# Altium PCB ECE453.PcbDoc (part 1 of 2)
Units mil, origin at the board's own origin, x right, y up, seen from the top; angles counter-clockwise.
Board outline 3937.01 x 3937.01 mil, 2 copper layers (Top Layer, Bottom Layer); 148 components, 146 nets, 474 pads, 123 vias.
Unrouted connection lines stored in the file: 41.
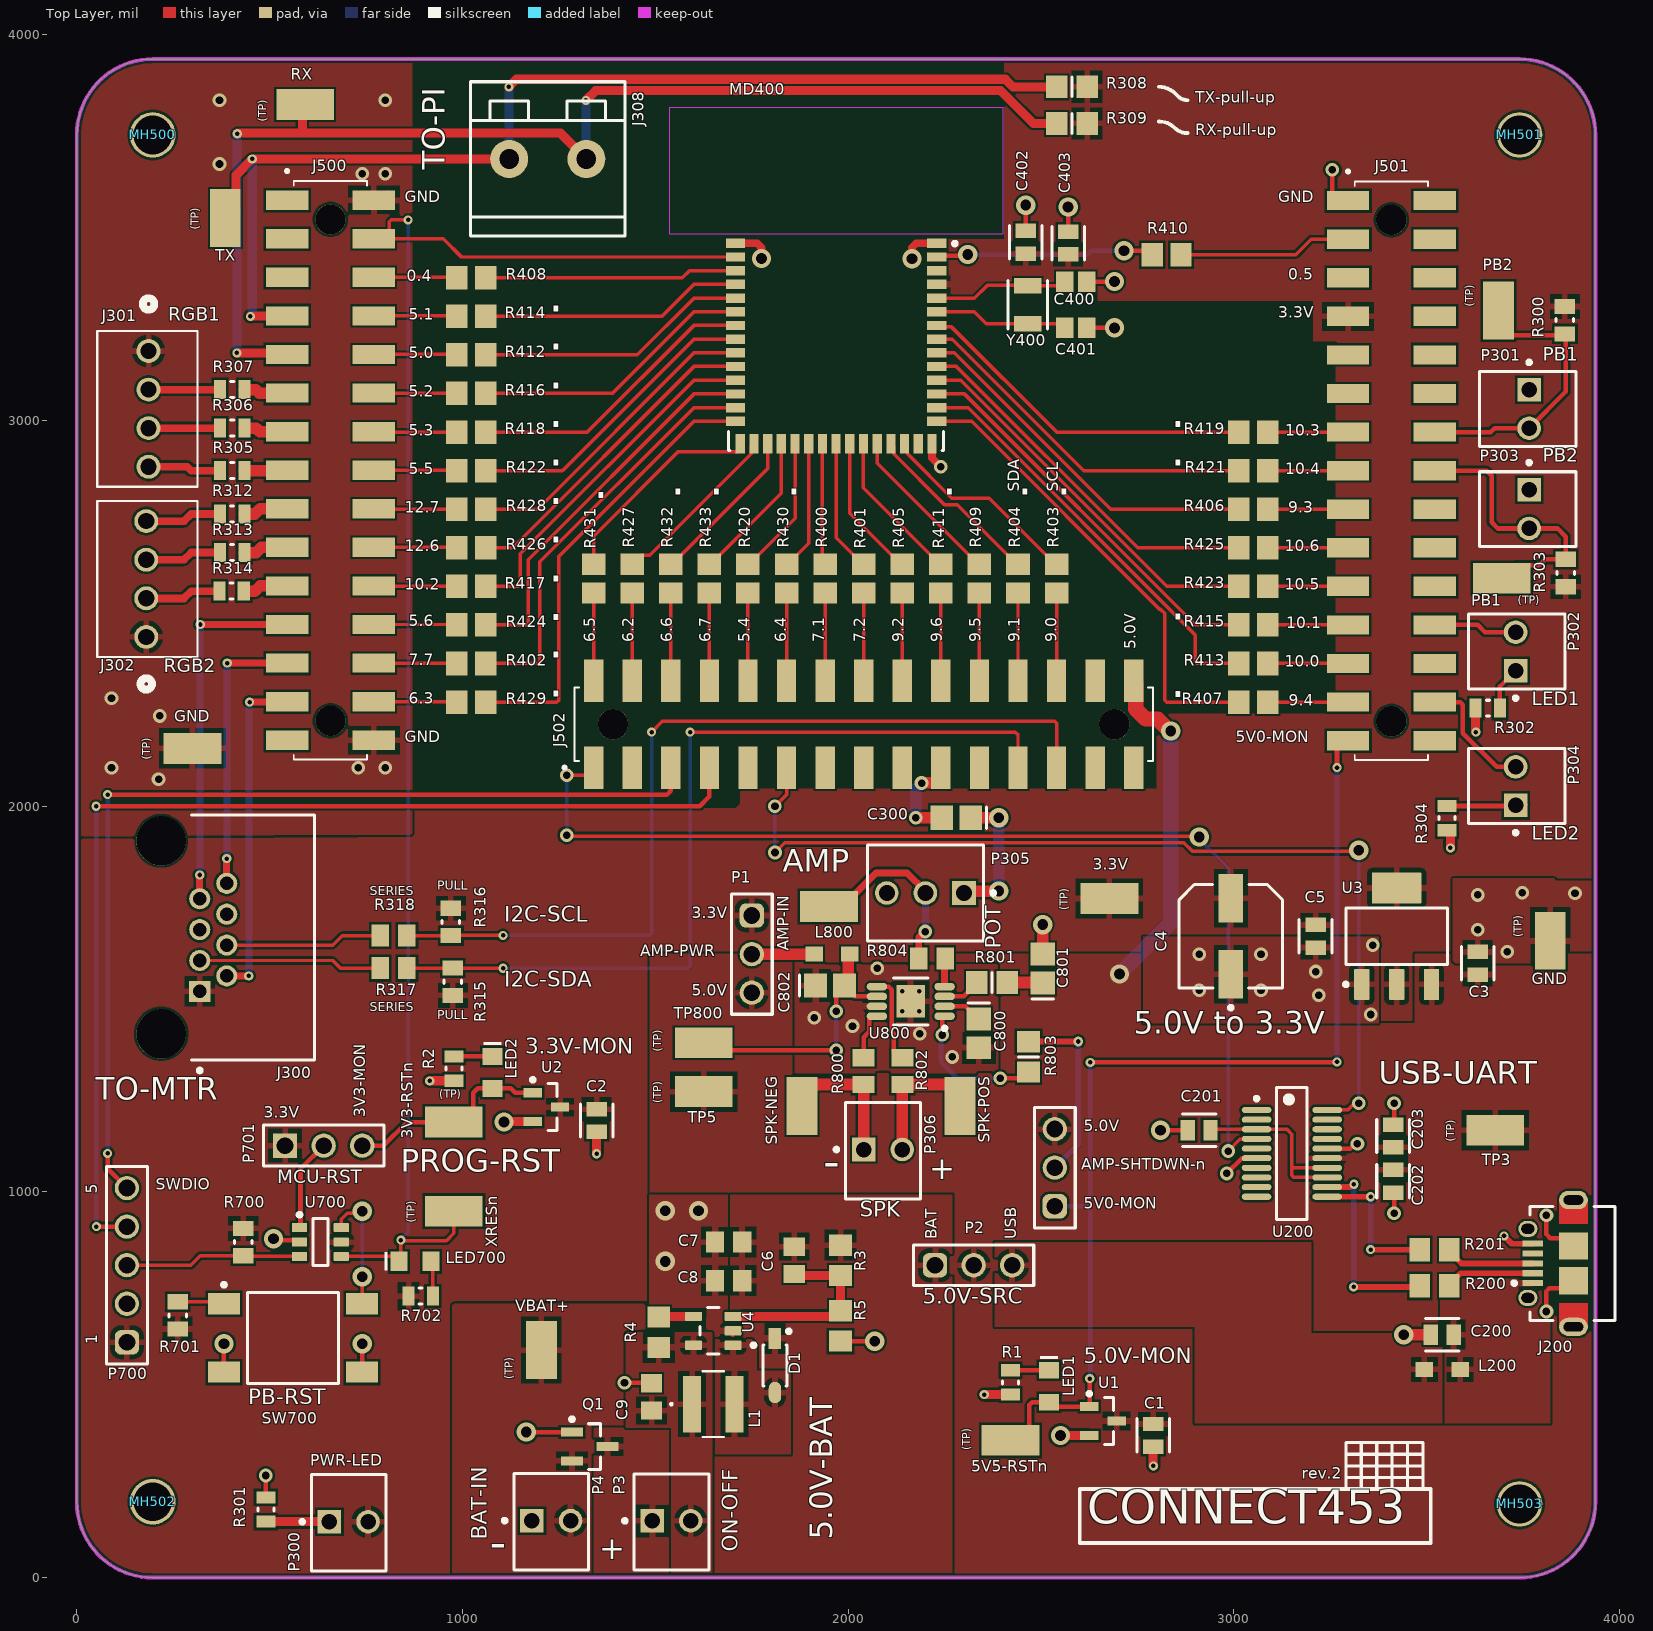
[diagram p0: Top Layer view]
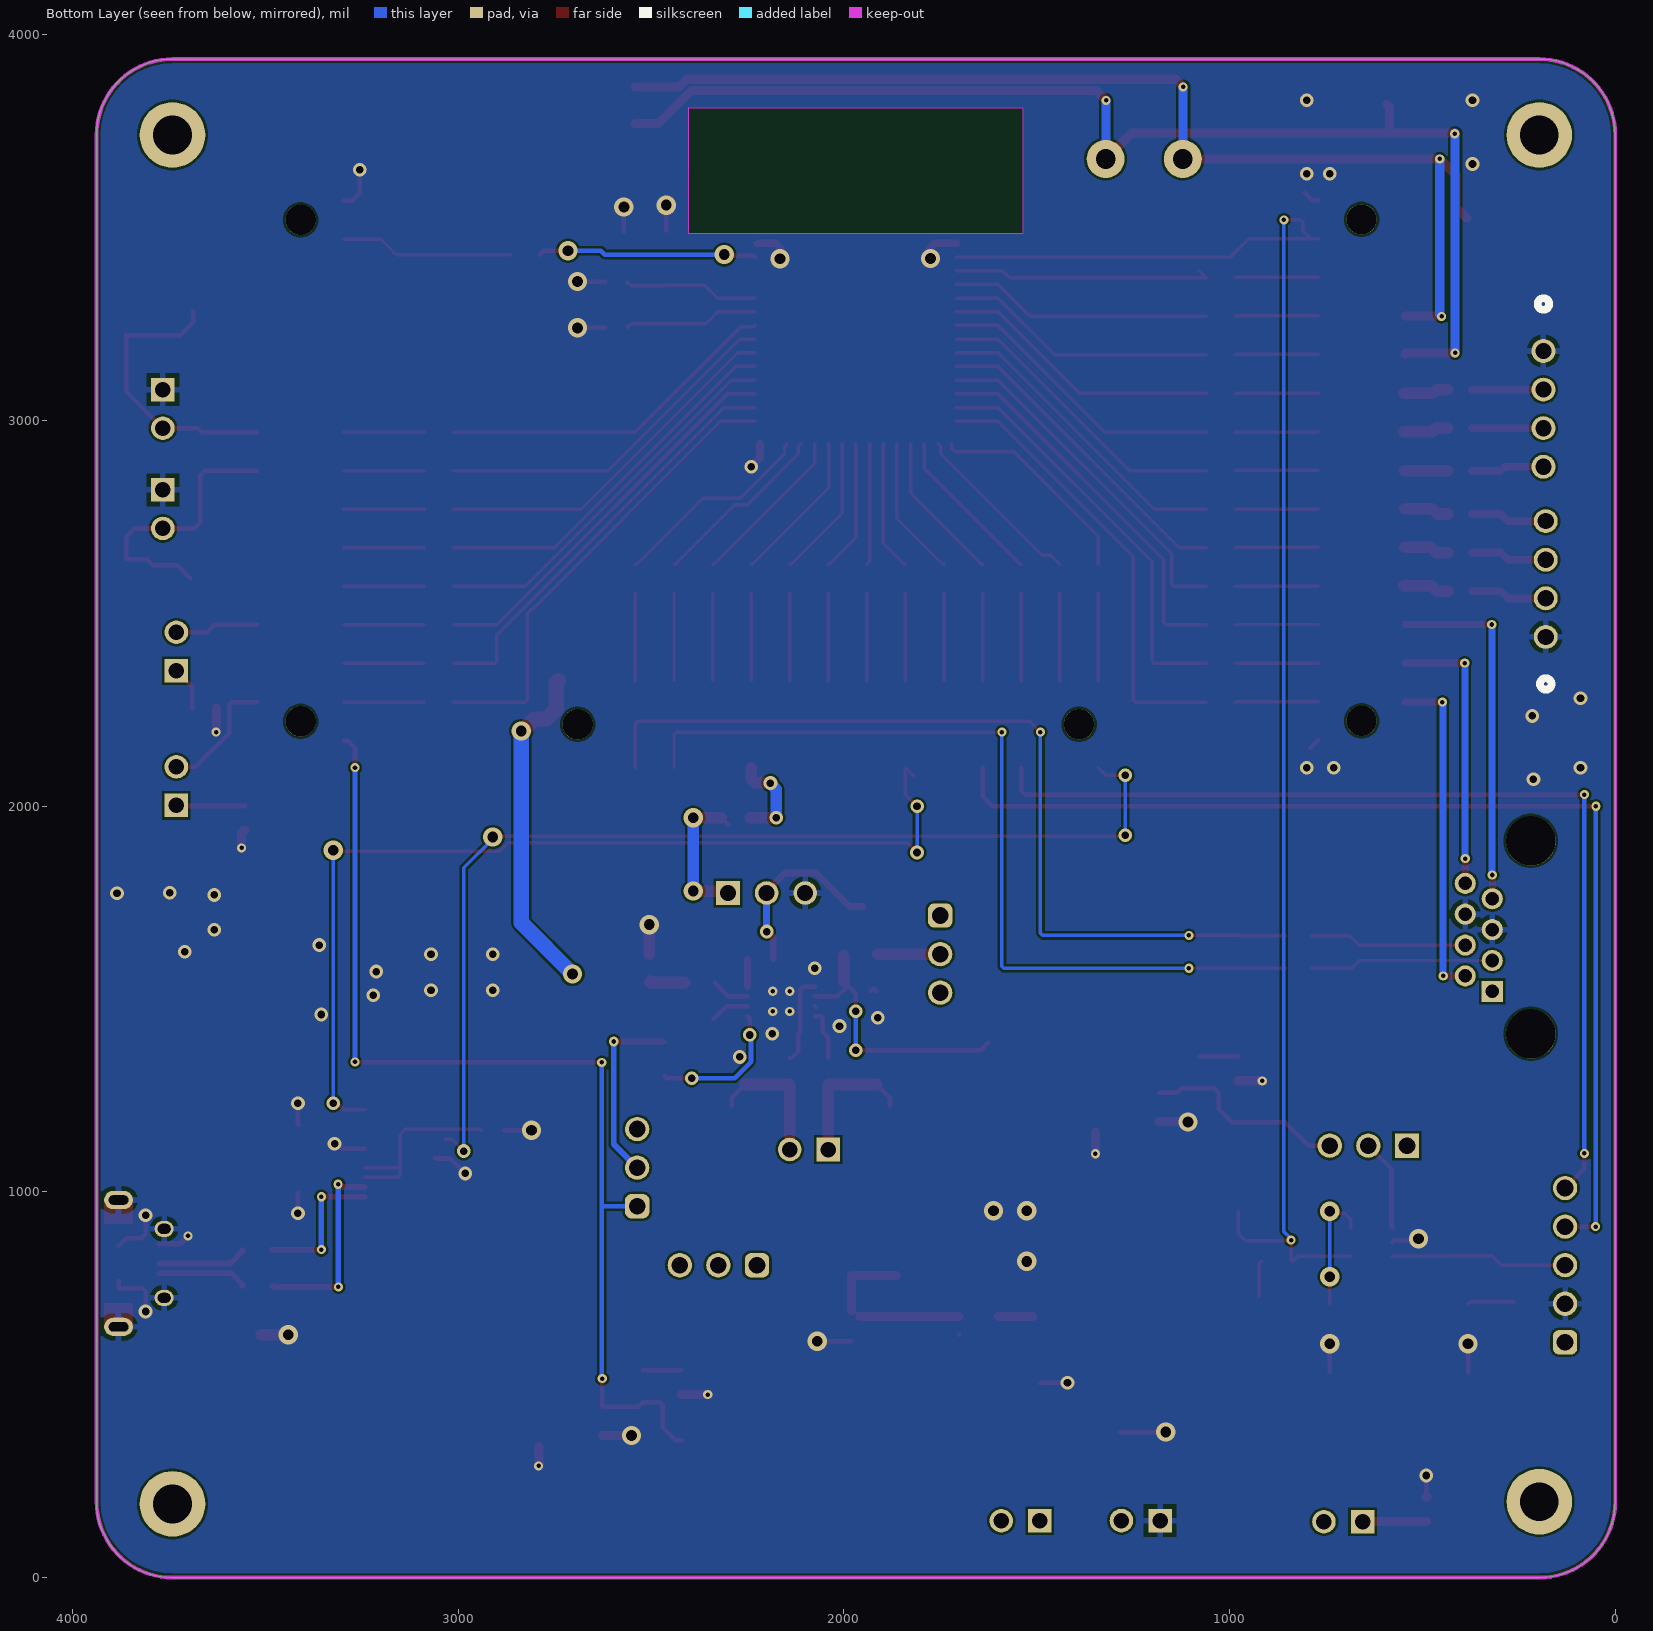
[diagram p1: Bottom Layer view, seen from below]

## Layer stack, top to bottom
Top Solder: solder mask 0.4, Solder Resist, Dk 3.5
Top Layer: signal copper 1.4
Dielectric1: dielectric 12.6, FR-4, Dk 4.8
Bottom Layer: signal copper 1.4
Bottom Solder: solder mask 0.4, Solder Resist, Dk 3.5

## Board outline
0,196.85 ccw(c196.85,196.85) 196.85,0 3740.16,0 ccw(c3740.16,196.85) 3937.01,196.85 3937.01,3740.16 ccw(c3740.16,3740.16) 3740.16,3937.01 196.85,3937.01 ccw(c196.85,3740.16) 0,3740.16

## Design rules (kind name [scope] priority, off if disabled: settings)
Clearance Polygon_Clearance [All vs InPolygon] p1: gap=6 ignorepadtopadclearanceinfootprint=FALSE
Clearance [All] p2: gap=6 ignorepadtopadclearanceinfootprint=TRUE
ComponentClearance [InComponent('U3')] p1: gap=0 collisioncheckmode=3 verticalgap=10 showdistances=FALSE
DiffPairsRouting [All] p1: maxlimit=10 minlimit=10 mostfreqgap=10 toplayer_minwidth=15 toplayer_maxwidth=15 toplayer_prefwidth=15 bottomlayer_minwidth=15 bottomlayer_maxwidth=15 bottomlayer_prefwidth=15 maxuncoupledlength=500
Height [All] p1: minheight=0 maxheight=2952.76 prefheight=500
HoleSize [All] p1: absolutevalues=TRUE maxlimit=250 minlimit=11.81 maxpercent=80.000 minpercent=20.000
MinimumAnnularRing [All] p1: minimumring=5.91
MinimumSolderMaskSliver [All] p1: minsoldermaskwidth=8.66
NetAntennae NetAntennae_5.0V [InNet('5.0V')] p1: netantennaetolerance=0
NetAntennae NetAntennae_3.3V [InNet('3.3V')] p2: netantennaetolerance=0
PlaneClearance [All] p1: clearance=11.81
PlaneConnect [All] p1: planeconnectstyle=Relief reliefexpansion=11.81 reliefentries=4 reliefconductorwidth=11.81 reliefairgap=11.81
PolygonConnect ViaConnect [All vs IsVia] p1: connectstyle=Direct reliefconductorwidth=15 reliefentries=4 polygonreliefangle="90 Angle" airgapwidth=10
PolygonConnect [All] p2: connectstyle=Relief reliefconductorwidth=15.75 reliefentries=4 polygonreliefangle="90 Angle" airgapwidth=11.81
RoutingVias [All] p1: holewidth=11.81 width=23.62 viastyle="Through Hole" minholewidth=11.81 minwidth=23.62 maxholewidth=196.85 maxwidth=393.7
SilkToSilkClearance [All] p1: silktosilkclearance=0
SilkToSolderMaskClearance [IsPad] p1: minsilkscreentomaskgap=0 clearancetoexposedcopper=TRUE
SolderMaskExpansion [All] p1: expansion=4 istentingtop=FALSE
UnConnectedPin [All] p1:
Width [All] p1: maxlimit=393.7 minlimit=7.87 preferedwidth=23.62
20 further rules are at their usual default settings.

## Classes and differential pairs
component class 06_Power: 3.3V 3V3-RSTn 5V5-RSTn C1 C2 C3 C4 C5 C6 C7 C8 C9 D1 GND L1 LED1 LED2 P1 P2 P3 P4 Q1 R1 R2 R3 R4 R5 TP3 TP5 U1 U2 U3 U4 VBAT+
differential pair USB_D: +USB_D_P -USB_D_N

## Components (designator, comment, footprint, x,y, rotation, side; value= is the part's Value field where it differs from the comment)
3.3V "5019" KSTN-5019_V 2677,1760.71 r180 top (schematic designator TP4)
3V3-RSTn "5019" KSTN-5019_V 977.61,1181.06 r0 top (schematic designator TP2)
5V5-RSTn "5019" KSTN-5019_V 2420.39,356.21 r0 top (schematic designator TP1)
AMP-IN "5019" KSTN-5019_V 1950,1740 r180 top (schematic designator TP307)
AMP-SHTDWN-n "61300311121" 61300311121#1 2535.5,1063 r90 top (schematic designator P800)
C1 "C0805C104K5RACTU" FP-C0805C-DN-MFG 2790.39,368.81 r270 top value=100nF
C2 "C0805C104K5RACTU" FP-C0805C-DN-MFG 1347.61,1185.16 r270 top value=100nF
C3 "C0805C106K8PACTU" FP-C0805C-DG-MFG 3631.73,1592.92 r90 top value=10uF
C4 "EEE-1EA101XP" FP-SD8-MFG 2991.73,1662.92 r90 top
C5 "C0805C106K8PACTU" FP-C0805C-DG-MFG 3211.73,1662.92 r270 top value=10uF
C6 "CAP_0805_N_001_80" CAP_0805 1860,822.76 r90 top
C7 "CAP_0805_U_010_00" CAP_0805 1690,870 r0 top value=10µF
C8 "CAP_0805_U_010_00" CAP_0805 1690,770 r0 top value=10µF
C9 "CAP_0805_U_010_00" CAP_0805 1490,468.67 r270 top value=10µF
C200 "C0805C104K5RACTU" FP-C0805C-DN-MFG 3540,630 r180 top value="0.10 μF"
C201 "C0805C104K5RACTU" FP-C0805C-DN-MFG 2909.53,1160 r180 top value="0.10 μF"
C202 "C0805C104K5RACTU" FP-C0805C-DN-MFG 3412.4,1027.5 r270 top value="0.10 μF"
C203 "C0805C104K5RACTU" FP-C0805C-DN-MFG 3412.4,1145 r90 top value="0.10 μF"
C300 "0.22uF" CAPC2012M 2280,1970 r180 top
C400 "08055A6R0CAT2A" CAPC2013X94X50LL20T25 2590,3360 r180 top
C401 "08055A6R0CAT2A" CAPC2013X94X50LL20T25 2590,3240 r180 top
C402 "C0805C106K8PACTU" FP-C0805C-DG-MFG 2460,3462.26 r90 top value=10uF
C403 "C0805C104K5RACTU" FP-C0805C-DN-MFG 2570,3460 r90 top value="0.10 μF"
C800 "0.22uF" CAPC2012M 2338.5,1411.26 r270 top
C801 "0.22uF" CAPC2012M 2504,1579.17 r90 top
C802 "1uF" CAPC2012M 1952.5,1535.06 r0 top
D1 "SM5817PL-TP" On_Semiconductor_425-04_IPC_A 1810,550 r270 top
GND "5019" KSTN-5019_V 300,2150 r0 top (schematic designator TP7)
GND "5019" KSTN-5019_V 3820,1651 r270 top (schematic designator TP6)
J200 "47589-0001" MOLX-47589-0001_V 3820.94,814.72 r90 top
J300 "RJHSE-5080" FP-RJHSE-5080-MFG 313.68,1660 r270 top
J301 "22232041" CONN_22-23-2041_MOL 186,3180 r270 top
J302 "22232041" CONN_22-23-2041_MOL 180,2439 r90 top
J308 "" PHOENIX2X0.2 1221,3678 r180 top
J500 "98401-101-30LF" AMPHENOL_98401-101-30LF 657.6,2871.06 r270 top
J501 "98401-101-30LF" AMPHENOL_98401-101-30LF 3408.08,2870 r270 top
J502 "98401-101-30LF" AMPHENOL_98401-101-30LF 2040,2212.4 r0 top
L1 "NRS4018T2R2MDGJ" IND_TAIYO_NRS4018_TAY 1650,450 r0 top
L200 "742792093" SMD-0805 3540,540 r180 top
L800 "742792093" SMD-0805 1957.83,1616.58 r0 top value=3.9nH
LED1 "150080GS75000" WL-SMCW_0805_150080xx75000 2520.39,496.21 r270 top
LED2 "150080GS75000" WL-SMCW_0805_150080xx75000 1077.61,1309.73 r270 top
LED700 "150080RS75000" WL-SMCW_0805_150080xx75000 876.73,820.1 r0 top
MD400 "CYBLE-416045-02" FP-CYBLE-416045-02-MFG 1968.5,3289.17 r0 top
MH500 "MHOLE_2_55MM" MHOLE_2_55MM 196.85,3740.16 r0 top locked
MH501 "MHOLE_2_55MM" MHOLE_2_55MM 3740.16,3740.16 r0 top locked
MH502 "MHOLE_2_55MM" MHOLE_2_55MM 196.85,196.85 r0 top locked
MH503 "MHOLE_2_55MM" MHOLE_2_55MM 3740.16,191.24 r0 top locked
P1 "61300311121" 61300311121#1 1750,1616.58 r270 top
P2 "61300311121" 61300311121#1 2325,810 r0 top
P3 "22-23-2021" MOLX-22-23-2021_V 1541.5,147.31 r0 top
P4 "22-23-2021" MOLX-22-23-2021_V 1230,148 r0 top
P300 "22-23-2021" MOLX-22-23-2021_V 705,145 r0 top
P301 "22-23-2021" MOLX-22-23-2021_V 3765,3030 r270 top
P302 "22-23-2021" MOLX-22-23-2021_V 3730,2401 r90 top
P303 "22-23-2021" MOLX-22-23-2021_V 3765,2770 r270 top
P304 "22-23-2021" MOLX-22-23-2021_V 3730,2052 r90 top
P305 "22-23-2031" MOLX-22-23-2031_V 2200,1775 r180 top
P306 "22-23-2021" MOLX-22-23-2021_V 2090,1110 r0 top
P700 "61300511121" 61300511121 130,810.1 r90 top
P701 "61300311121" 61300311121#2 640,1120 r0 top
PB1 "5019" KSTN-5019_V 3694,2591 r180 top (schematic designator TP303)
PB2 "5019" KSTN-5019_V 3686,3285 r90 top (schematic designator TP301)
Q1 "SSM3J328R,LF" SOT-23_M 1330,340 r0 top
R1 "RC0805FR-07330RL" RESC2013X60X35LL10T20 2420.39,506.21 r90 top
R2 "RC0805FR-07330RL" RESC2013X60X35LL10T20 977.61,1319.73 r90 top
R3 "30K" RES_0805 1980,822.76 r90 top
R4 "RES_0805_K_010.00" RES_0805 1508.62,636.13 r270 top
R5 "RES_0805_K_010.00" RES_0805 1980,652.76 r90 top
R200 "ERJ6ENF27R0V" RESC2013X70X40ML20T20 3520,756.22 r180 top
R201 "ERJ6ENF27R0V" RESC2013X70X40ML20T20 3520.16,850.32 r180 top
R300 "RC0805FR-0710KL" RESC2013X60X35NL10T20 3858,3260 r90 top
R301 "RC0805FR-07330RL" RESC2013X60X35LL10T20 490,176.78 r270 top
R302 "RC0805FR-07330RL" RESC2013X60X35LL10T20 3658,2254 r0 top
R303 "RC0805FR-0710KL" RESC2013X60X35NL10T20 3860,2604.57 r270 top
R304 "RC0805FR-07330RL" RESC2013X60X35LL10T20 3552,1969 r90 top
R305 "RC0805FR-07330RL" RESC2013X60X35LL10T20 403,2870 r180 top
R306 "RC0805FR-07330RL" RESC2013X60X35LL10T20 403,2980 r180 top
R307 "RC0805FR-07330RL" RESC2013X60X35LL10T20 403,3080 r180 top
R308 "10K" RESC2012M 2580,3865 r0 top
R309 "10K" RESC2012M 2580,3770 r0 top
R312 "RC0805FR-07330RL" RESC2013X60X35LL10T20 402.86,2757.5 r180 top
R313 "RC0805FR-07330RL" RESC2013X60X35LL10T20 402.86,2657.5 r180 top
R314 "RC0805FR-07330RL" RESC2013X60X35LL10T20 401.36,2557.5 r180 top
R315 "RC0805FR-0710KL" RESC2013X60X35NL10T20 975,1545 r270 top value=10kR
R316 "RC0805FR-0710KL" RESC2013X60X35NL10T20 970,1700 r90 top value=10kR
R317 "ERJ-6GEY0R00V" RESC2013X70X40NL20T20 821.48,1580 r0 top value=0R
R318 "ERJ-6GEY0R00V" RESC2013X70X40NL20T20 821.48,1664.57 r0 top value=0R
R400 "ERA6AEB101V" RESC2013X60X40ML20T25 1940,2590 r270 top
R401 "ERA6AEB101V" RESC2013X60X40ML20T25 2040,2590 r270 top
R402 "ERA6AEB101V" RESC2013X60X40ML20T25 1022.6,2370 r180 top
R403 "ERA6AEB101V" RESC2013X60X40ML20T25 2540,2590 r270 top
R404 "ERA6AEB101V" RESC2013X60X40ML20T25 2440,2590 r270 top
R405 "ERA6AEB101V" RESC2013X60X40ML20T25 2139.37,2590 r270 top
R406 "ERA6AEB101V" RESC2013X60X40ML20T25 3050,2770 r0 top
R407 "ERA6AEB101V" RESC2013X60X40ML20T25 3050,2270 r0 top
R408 "ERA6AEB101V" RESC2013X60X40ML20T25 1022.6,3370 r0 top
R409 "ERA6AEB101V" RESC2013X60X40ML20T25 2340,2590 r270 top
R410 "ERA6AEB101V" RESC2013X60X40ML20T25 2825.27,3430 r180 top
R411 "ERA6AEB101V" RESC2013X60X40ML20T25 2240,2590 r270 top
R412 "ERA6AEB101V" RESC2013X60X40ML20T25 1022.6,3170 r0 top
R413 "ERA6AEB101V" RESC2013X60X40ML20T25 3050,2370 r0 top
R414 "ERA6AEB101V" RESC2013X60X40ML20T25 1022.6,3270 r0 top
R415 "ERA6AEB101V" RESC2013X60X40ML20T25 3050,2470 r0 top
R416 "ERA6AEB101V" RESC2013X60X40ML20T25 1022.6,3070 r0 top
R417 "ERA6AEB101V" RESC2013X60X40ML20T25 1022.6,2570 r180 top
R418 "ERA6AEB101V" RESC2013X60X40ML20T25 1022.6,2970 r0 top
R419 "ERA6AEB101V" RESC2013X60X40ML20T25 3050,2970 r0 top
R420 "ERA6AEB101V" RESC2013X60X40ML20T25 1740,2590 r90 top
R421 "ERA6AEB101V" RESC2013X60X40ML20T25 3050,2870 r0 top
R422 "ERA6AEB101V" RESC2013X60X40ML20T25 1022.6,2870 r0 top
R423 "ERA6AEB101V" RESC2013X60X40ML20T25 3050,2570 r0 top
R424 "ERA6AEB101V" RESC2013X60X40ML20T25 1022.6,2470 r0 top
R425 "ERA6AEB101V" RESC2013X60X40ML20T25 3050,2670 r0 top
R426 "ERA6AEB101V" RESC2013X60X40ML20T25 1022.6,2670 r180 top
R427 "ERA6AEB101V" RESC2013X60X40ML20T25 1440,2590 r90 top
R428 "ERA6AEB101V" RESC2013X60X40ML20T25 1022.6,2770 r180 top
R429 "ERA6AEB101V" RESC2013X60X40ML20T25 1022.6,2270 r0 top
R430 "ERA6AEB101V" RESC2013X60X40ML20T25 1840,2590 r90 top
R431 "ERA6AEB101V" RESC2013X60X40ML20T25 1340,2590 r90 top
R432 "ERA6AEB101V" RESC2013X60X40ML20T25 1540,2590 r90 top
R433 "ERA6AEB101V" RESC2013X60X40ML20T25 1640,2590 r90 top
R700 "RC0805FR-0710KL" RESC2013X60X35NL10T20 431.54,870.1 r90 top
R701 "RC0805FR-0710KL" RESC2013X60X35NL10T20 261.54,680.1 r270 top value=10kR
R702 "RC0805FR-07330RL" RESC2013X60X35LL10T20 891.54,730.1 r180 top
R800 "ERJ-6GEY0R00V" RESC2013X70X40NL20T20 2040,1313 r270 top value=0R
R801 "49.9K" RESC2012M 2372.5,1543 r0 top
R802 "ERJ-6GEY0R00V" RESC2013X70X40NL20T20 2140,1313 r270 top value=0R
R803 "10K" RESC2012M 2467,1350 r90 top
R804 "ERJ-6GEY0R00V" RESC2013X70X40NL20T20 2217.13,1605.69 r180 top value=0R
RX "5019" KSTN-5019_V 592,3819 r0 top (schematic designator TP300)
SPK-NEG "5019" KSTN-5019_V 1880,1223 r90 top (schematic designator TP306)
SPK-POS "5019" KSTN-5019_V 2290,1223 r270 top (schematic designator TP305)
SW700 "FSM4JSMA" TECO-FSM4JSMA_V 560.67,621.52 r90 top
TP3 "5019" KSTN-5019_V 3677.5,1160 r180 top
TP5 "5019" KSTN-5019_V 1625,1260 r180 top
TP800 "5019" KSTN-5019_V 1625,1386.82 r180 top
TX "5019" KSTN-5019_V 385,3525 r270 top (schematic designator TP302)
U1 "MCP112T-475E/TT" SOT-23-TT3_L 2660.39,406.21 r0 top
U2 "MCP112T-300E/TT" SOT-23-TT3_L 1217.61,1219.73 r0 top
U3 "TLV1117LV33DCYT" DCY0004A_M 3421.73,1662.92 r90 top
U4 "LM2735XMF-NOPB" Texas_Instruments_DBV0005A_0 1650,640 r180 top
U200 "FT231XS-U" SSOP-20_L 3150,1100 r0 top
U700 "SN74LVC1G11DBVR" DBV0006A_N 631.54,870.1 r0 top
U800 "TPA6211TDGNRQ1" TPA6211TDGNRQ1-W-THERMALPAD 2162,1494 r180 top
VBAT+ "5019" KSTN-5019_V 1204.44,590.1 r90 top (schematic designator TP8)
XRESn "5019" KSTN-5019_V 977.61,950.1 r180 top (schematic designator TP400)
Y400 "ABS07-120-32.768KHZ-T" FP-ABS07-120-MFG 2465,3300 r270 top

## Footprints (in the part's own frame and the unit in brackets; to place one, negate y for a bottom-side part, rotate by r counter-clockwise, add the part's x,y. Pads: shape width x height; smd on the part's side, far side on the other; paste and mask are expansions set on the pad)
61300311121#1 [mm] "Pin Header, pitch 2.54 mm, THT, Vertical, single row, 3p"
  rrect50% 1.6x1.6 hole 1.1: 1(-2.54,0)
  round 1.6 hole 1.1: 2(0,0) 3(2.54,0)
  silkscreen extent -3.96,-1.35 3.96,1.35, body extent -3.81,-1.27 3.81,1.27, height 8.57
61300311121#2 [mm]
  rect 1.6x1.6 hole 1.1: 1(-2.54,0)
  round 1.6 hole 1.1: 2(0,0) 3(2.54,0)
  silkscreen extent -3.96,-1.35 3.96,1.35, body extent -3.81,-1.27 3.81,1.27, height 8.57
61300511121 [mm] "Pin Header, pitch 2.54 mm, THT, Vertical, single row, 5p"
  rrect50% 1.6x1.6 hole 1.1: 1(-5.08,0)
  round 1.6 hole 1.1: 2(-2.54,0) 3(0,0) 4(2.54,0) 5(5.08,0)
  silkscreen extent -6.5,-1.35 6.5,1.35, body extent -6.35,-1.27 6.35,1.27, height 8.57
AMPHENOL_98401-101-30LF [mm]
  rect 1.27x2.79 smd: 01(-17.78,-2.855) 02(-17.78,2.855) 03(-15.24,-2.855) 04(-15.24,2.855) 05(-12.7,-2.855) 06(-12.7,2.855) 07(-10.16,-2.855) 08(-10.16,2.855) 09(-7.62,-2.855) 10(-7.62,2.855) 11(-5.08,-2.855) 12(-5.08,2.855) 13(-2.54,-2.855) 14(-2.54,2.855) 15(0,-2.855) 16(0,2.855) 17(2.54,-2.855) 18(2.54,2.855) 19(5.08,-2.855) 20(5.08,2.855) 21(7.62,-2.855) 22(7.62,2.855) 23(10.16,-2.855) 24(10.16,2.855) 25(12.7,-2.855) 26(12.7,2.855) 27(15.24,-2.855) 28(15.24,2.855) 29(17.78,-2.855) 30(17.78,2.855)
  round 2 hole 2 unplated: ""(-16.51,0) ""(16.51,0)
  silkscreen extent -19.8,-2.95 19.05,2.41, body extent -19.05,-3.65 19.05,3.65, height 9.7
CAP_0805 [mm]
  rect 1.2x1.4 smd: 1(-0.9,0) 2(0.9,0)
  body extent -1.07,-0.7 1.07,0.7, height 0.7
CAPC2012M [mm]
  rect 1.5x1.6 smd mask+0.038: 1(-0.95,0) 2(0.95,0)
  silkscreen extent -2,-0.7 -2,0.7, body extent -1.1,-0.72 1.1,0.72, height 1.1
CAPC2013X94X50LL20T25 [mm]
  rect 1.15x1.35 smd mask+0.038: 1(-0.725,0) 2(0.725,0)
  body extent -1.1,-0.72 1.1,0.72, height 0.94
CONN_22-23-2041_MOL [mil]
  round 62 / inner round 60 / far side round 62 hole 42 paste-31 mask+0: 1(0,0) 2(100,0) 3(200,0) 4(300,0)
  silkscreen extent -137,-133 352,127
DBV0006A_N [mm]
  rrect17% 1x0.6 smd mask+0.046: 1(-1.375,0.95) 2(-1.375,0) 3(-1.375,-0.95) 4(1.375,-0.95) 5(1.375,0) 6(1.375,0.95)
  silkscreen extent -1.5,-1.55 0.5,1.92, body extent -1.42,-1.46 1.42,1.46, height 1.11
DCY0004A_M [mm] "SOT223, 4-Leads, Body 6.7x3.7mm, Pitch 2.3mm, IPC Low Density"
  rrect10% 2.05x1 smd: 1(-3.175,2.3) 2(-3.175,0) 3(-3.175,-2.3)
  rrect5% 2.05x3.25 smd: 4(3.175,0)
  silkscreen extent -3.3,-3.35 1.85,3.47, body extent -3.5,-3.25 3.5,3.25, height 1.62
FP-ABS07-120-MFG [mm]
  rect 1x1.8 smd paste+0 mask+0: 1(-1.25,0) 2(1.25,0)
  silkscreen extent -1.6,-1.3 1.6,1.3, body extent -1.85,-1 1.85,1, height 0.25
FP-C0805C-DG-MFG [mm]
  rect 0.95x1.35 smd paste+0 mask+0: 1(-0.75,0) 2(0.75,0)
  silkscreen extent -1.11,-1.08 1.1,1.07, body extent -1.4,-0.85 1.4,0.85, height 0.25
FP-C0805C-DN-MFG [mm]
  rect 0.95x1.35 smd paste+0 mask+0: 1(-0.75,0) 2(0.75,0)
  silkscreen extent -1.1,-1.07 1.1,1.07, body extent -1.4,-0.85 1.4,0.85, height 0.25
FP-CYBLE-416045-02-MFG [mm]
  rect 1.27x0.61 smd paste+0 mask+0: 1(6.619,4.32) 2(6.619,3.42) 3(6.619,2.52) 4(6.619,1.62) 5(6.619,0.71) 6(6.619,-0.19) 7(6.619,-1.09) 8(6.619,-1.99) 9(6.619,-2.89) 10(6.619,-3.79) 11(6.619,-4.7) 12(6.619,-5.6) 13(6.619,-6.5) 14(6.619,-7.4) 30(-6.619,-7.4) 31(-6.619,-6.5) 32(-6.619,-5.6) 33(-6.619,-4.7) 34(-6.619,-3.79) 35(-6.619,-2.89) 36(-6.619,-1.99) 37(-6.619,-1.09) 38(-6.619,-0.19) 39(-6.619,0.71) 40(-6.619,1.62) 41(-6.619,2.52) 42(-6.619,3.42) 43(-6.619,4.32)
  rect 0.61x1.27 smd paste+0 mask+0: 15(6.31,-8.869) 16(5.41,-8.869) 17(4.51,-8.869) 18(3.61,-8.869) 19(2.71,-8.869) 20(1.8,-8.869) 21(0.9,-8.869) 22(0,-8.869) 23(-0.9,-8.869) 24(-1.8,-8.869) 25(-2.7,-8.869) 26(-3.61,-8.869) 27(-4.51,-8.869) 28(-5.41,-8.869) 29(-6.31,-8.869)
  Keep-Out Layer region: -11,4.953 11,4.953 11,13.25 -11,13.25
  Keep-Out Layer region: -11,4.953 11,4.953 11,13.25 -11,13.25
  silkscreen extent -7.07,-9.33 7.95,4.43, body extent -11,-9.6 11,13.25, height 0.25
FP-RJHSE-5080-MFG [mm]
  rect 1.39x1.39 hole 0.89 paste-1000 mask+0: 1(3.556,0.127)
  round 1.39 hole 0.89 paste-1000 mask+0: 2(2.54,1.905) 3(1.524,0.127) 4(0.508,1.905) 5(-0.508,0.127) 6(-1.524,1.905) 7(-2.54,0.127) 8(-3.556,1.905)
  round 3.25 hole 3.25 unplated paste-1000 mask+0: ""(-6.35,-2.413) ""(6.35,-2.413)
  silkscreen extent -8.06,-0.41 8.89,7.68, body extent -8.16,-7.78 8.16,7.78, height 0.25
FP-SD8-MFG [mm]
  rect 3.2x1.6 smd paste+0 mask+0: 1(-2.5,0) 2(2.5,0)
  silkscreen extent -4.82,-3.4 3.4,3.4, body extent -4.35,-3.65 4.35,3.65, height 0.25
IND_TAIYO_NRS4018_TAY [mil]
  rect 47x146 smd paste+0 mask+0: 1(-55,0) 2(55,0)
  silkscreen extent -111,-86 28,86, body extent -81,-81 81,81, height 71
KSTN-5019_V [mm] "Test Point, 1-Leads, Body 3.81x2.03mm"
  rect 3.8x2.03 smd: 1(0,0)
  body extent -1.9,-1.01 1.9,1.02, height 2.29
MHOLE_2_55MM [mm]
  round 3 / inner round 4.572 / far side round 4.318 hole 2.55: 1(0,0)
MOLX-22-23-2021_V [mm] "THD, 2-Leads, Body 6.35x4.93mm, Pitch 2.54mm"
  rect 1.55x1.55 hole 1.02: 1(-1.27,0)
  round 1.55 hole 1.02: 2(1.27,0)
  silkscreen extent -3.19,-3.25 2.46,3.1, body extent -2.46,-3.25 2.46,3.1, height 10.66
MOLX-22-23-2031_V [mm] "CONN, 3-Leads, Body 7.62x6.35mm, Pitch 2.54mm"
  rect 1.55x1.55 hole 1.05: 1(-2.54,0)
  round 1.55 hole 1.05: 2(0,0) 3(2.54,0)
  silkscreen extent -4.59,-3.18 3.81,3.18, body extent -3.73,-3.25 3.73,3.1, height 10.67
MOLX-47589-0001_V [mm]
  rect 0.4x1.35 smd mask+0.014: 1(-1.3,1.175) 2(-0.65,1.175) 3(0,1.175) 4(0.65,1.175) 5(1.3,1.175)
  oval 1.05x1.25 hole 0.65 slot 0.85 at 90 deg mask+0.014: 6(-2.274,1.5) 7(2.274,1.5)
  oval 1.2x1.9 hole 0.6 slot 1.3 at 90 deg: 8(-4.175,-1.5) 11(4.175,-1.5)
  rect 1.8x1.9 smd: 9(-1.15,-1.5) 10(1.15,-1.5)
  Top Layer region: 2.6,-2.45 4.175,-2.45 4.175,-0.55 2.6,-0.55
  Top Layer region: -2.6,-0.55 -4.175,-0.55 -4.175,-2.45 -2.6,-2.45
  silkscreen extent -3.75,-4.25 3.75,2.52, body extent -4.32,-4.25 4.32,1.64, height 2.74
On_Semiconductor_425-04_IPC_A [mm]
  rect 1.408x0.822 smd paste+0 mask+0: 1(-1.78,0)
  rrect100% 1.408x0.822 smd paste+0 mask+0: 2(1.78,0)
  silkscreen extent -2.37,-0.8 1.35,1.04, body extent -2.98,-1.3 2.98,1.3, height 0.25
PHOENIX2X0.2 [mm]
  round 2.5 hole 1.295: 1(-2.54,0) 2(2.54,0)
  silkscreen extent -5.08,-5.08 5.08,5.08, body extent -5.48,-5.59 5.48,5.72, height 18.05
RES_0805 [mm]
  rect 1.4x1.5 smd: 1(-1,0) 2(1,0)
  body extent -1.07,-0.7 1.07,0.7, height 0.7
RESC2012M [mm]
  rect 1.4x1.5 smd: 1(-1,0) 2(1,0)
  silkscreen extent 0,-0.65 0,0.65, body extent -1.08,-0.7 1.08,0.7, height 0.65
RESC2013X60X35LL10T20 [mm] "Chip Resistor, 2-Leads, Body 2.1x1.35mm, IPC High Density"
  rect 0.8x1.25 smd: 1(-0.8,0) 2(0.8,0)
  silkscreen extent -0.1,-0.53 0.1,0.53, body extent -1.05,-0.67 1.05,0.68, height 0.6
RESC2013X60X35NL10T20 [mm] "Chip Resistor, 2-Leads, Body 2.1x1.35mm, IPC Medium Density"
  rect 1x1.35 smd: 1(-0.9,0) 2(0.9,0)